# Altium PCB ccd_bottom.PcbDoc (part 2 of 3)
Units mil, origin at the board's own origin, x right, y up, seen from the top; angles counter-clockwise.
Board outline 3937.01 x 3937.01 mil, 4 copper layers (Top Layer, GND2, PWR3, Bottom Layer), stack 72.967 mil thick; 128 components, 168 nets, 680 pads, 683 vias.
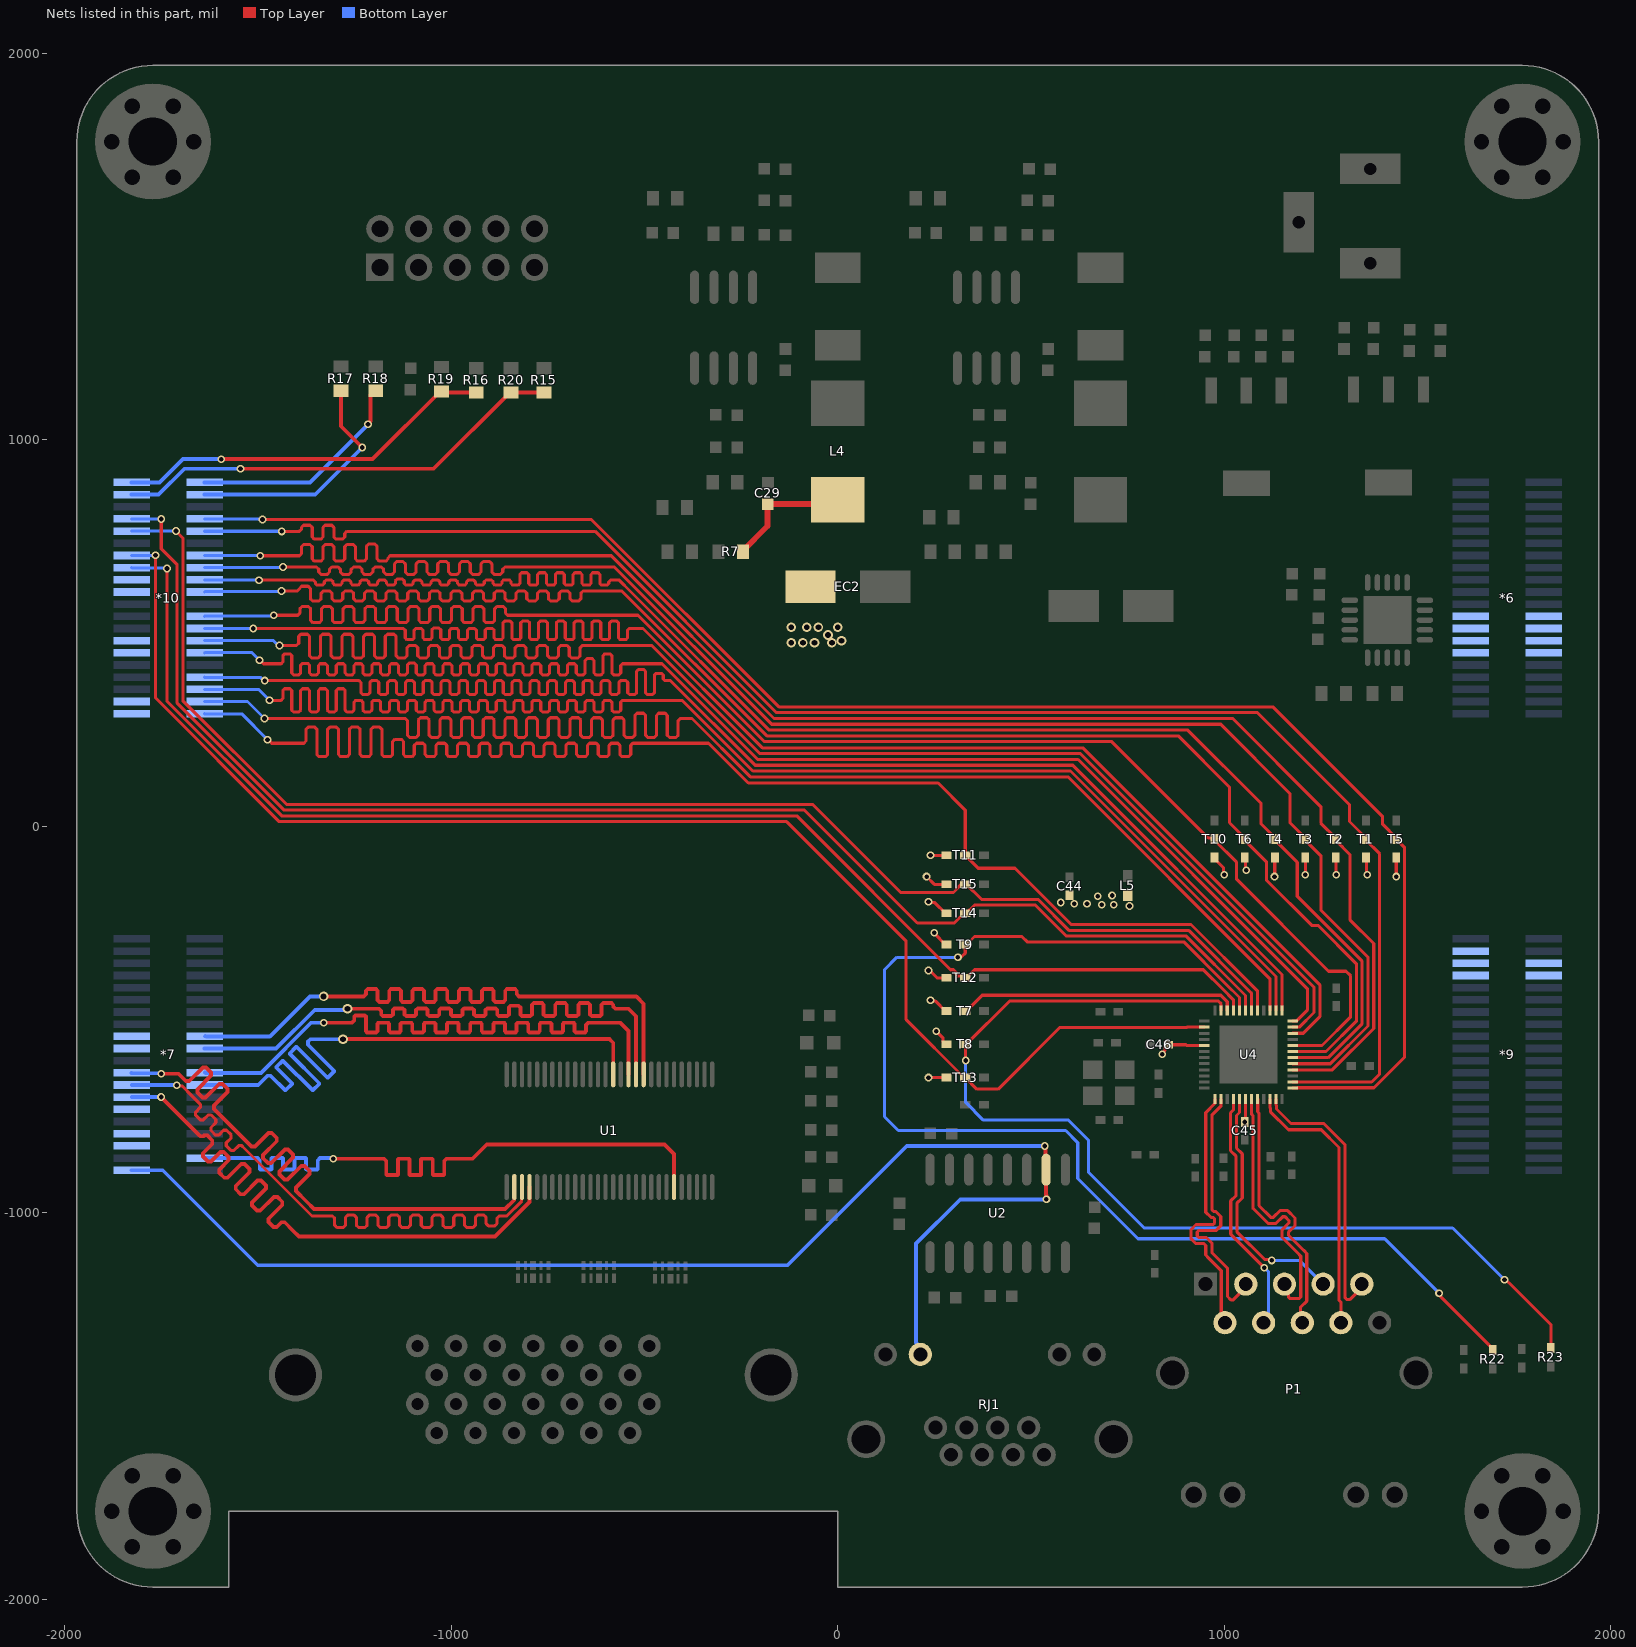
[diagram p4: the nets of this part, all layers, seen from the top]

## Via types
v1: diameter 20, hole 12, Top Layer to Bottom Layer, 590 vias
v2: diameter 25, hole 15, Top Layer to Bottom Layer, 39 vias
v3: diameter 40, hole 20, Top Layer to Bottom Layer, 28 vias
v4: diameter 30, hole 20, Top Layer to Bottom Layer, 22 vias
v5: diameter 24, hole 12, Top Layer to Bottom Layer, tented both sides, 4 vias

## Nets (pads, with @x,y where several pads share a name; then routed paths per layer and width w, separated by ;. In a path a pad name is that pad's centre, name@x,y a point inside that pad or via, vN(x,y) a via of type N, cw(c..) or ccw(c..) an arc to the next point about the centre after c; other vN are vias at no path point) (continued)
B15_L11_N: *7.24 U1.10 | length 1730.2
  Top Layer w10: v2(-1330,-440) -1231,-440 -1226,-440 -1220.14,-434.14 -1220.14,-425.5 -1215.64,-421 -1194.64,-421 -1190.14,-425.5 -1190.14,-449.52 -1185.64,-454.02 -1164.64,-454.02 -1160.14,-449.52 -1160.14,-425.5 -1155.64,-421 -1134.64,-421 -1130.14,-425.5 -1130.14,-449.52 -1125.64,-454.02 -1104.64,-454.02 -1100.14,-449.52 -1100.14,-425.5 -1095.64,-421 -1074.64,-421 -1070.14,-425.5 -1070.14,-449.52 -1065.64,-454.02 -1044.64,-454.02 -1040.14,-449.52 -1040.14,-425.5 -1035.64,-421 -1014.64,-421 -1010.14,-425.5 -1010.14,-449.52 -1005.64,-454.02 -984.64,-454.02 -980.14,-449.52 -980.14,-425.5 -975.64,-421 -954.64,-421 -950.14,-425.5 -950.14,-449.52 -945.64,-454.02 -924.64,-454.02 -920.14,-449.52 -920.14,-425.5 -915.64,-421 -894.64,-421 -890.14,-425.5 -890.14,-449.52 -885.64,-454.02 -864.64,-454.02 -860.14,-449.52 -860.14,-425.5 -855.64,-421 -834.64,-421 -830.14,-425.5 -830.14,-434.14 -824.28,-440 -809.6,-440 -520.97,-440 -501.97,-459 U1.10@-501.97,-641.73
  Bottom Layer w8: *7.24@-1637.8,-543.31 *7.24@-1636.14,-541.65
  Bottom Layer w10: *7.24@-1636.14,-541.65 -1633.64,-544.15 -1469.15,-544.15 -1365,-440 v2(-1330,-440)
B15_L11_P: *7.22 U1.11 | length 1730.2
  Top Layer w10: v2(-1268,-472) -1221.65,-472 -1186.65,-472 -1180.8,-477.86 -1180.8,-486.5 -1176.3,-491 -1155.3,-491 -1150.8,-486.5 -1150.8,-475.52 -1146.3,-471.02 -1125.3,-471.02 -1120.8,-475.52 -1120.8,-486.5 -1116.3,-491 -1095.3,-491 -1090.8,-486.5 -1090.8,-475.52 -1086.3,-471.02 -1065.3,-471.02 -1060.8,-475.52 -1060.8,-486.5 -1056.3,-491 -1035.3,-491 -1030.8,-486.5 -1030.8,-475.52 -1026.3,-471.02 -1005.3,-471.02 -1000.8,-475.52 -1000.8,-486.5 -996.3,-491 -975.3,-491 -970.8,-486.5 -970.8,-475.52 -966.3,-471.02 -945.3,-471.02 -940.8,-475.52 -940.8,-486.5 -936.3,-491 -915.3,-491 -910.8,-486.5 -910.8,-475.52 -906.3,-471.02 -885.3,-471.02 -880.8,-475.52 -880.8,-486.5 -876.3,-491 -855.3,-491 -850.8,-486.5 -850.8,-468.72 -846.3,-464.22 -825.3,-464.22 -820.8,-468.72 -820.8,-486.5 -816.3,-491 -795.3,-491 -790.8,-486.5 -790.8,-461.5 -786.3,-457 -765.3,-457 -760.8,-461.5 -760.8,-486.5 -756.3,-491 -735.3,-491 -730.8,-486.5 -730.8,-461.5 -726.3,-457 -705.3,-457 -700.8,-461.5 -700.8,-486.5 -696.3,-491 -675.3,-491 -670.8,-486.5 -670.8,-461.5 -666.3,-457 -645.3,-457 -640.8,-461.5 -640.8,-486.5 -636.3,-491 -615.3,-491 -610.8,-486.5 -610.8,-461.5 -606.3,-457 -585.3,-457 -580.8,-461.5 -580.8,-466.14 -574.94,-472 -555.17,-472 -541,-472 -521.65,-491.35 U1.11@-521.65,-641.73
  Bottom Layer w10: *7.22@-1637.8,-574.8 -1637.7,-574.9 -1452.98,-574.9 -1352.95,-474.87 -1270.87,-474.87 v2(-1268,-472)
B15_L12_N: *7.18 U1.12 | length 1732.5
  Top Layer w10: v1(-1329.5,-508) -1261.57,-508 -1256.57,-508 -1250.72,-502.14 -1250.72,-492.36 -1247.72,-489.36 -1223.72,-489.36 -1220.72,-492.36 -1220.72,-530 -1217.72,-533 -1193.72,-533 -1190.72,-530 -1190.72,-511 -1187.72,-508 -1163.72,-508 -1160.72,-511 -1160.72,-530 -1157.72,-533 -1133.72,-533 -1130.72,-530 -1130.72,-511 -1127.72,-508 -1103.72,-508 -1100.72,-511 -1100.72,-530 -1097.72,-533 -1073.72,-533 -1070.72,-530 -1070.72,-511 -1067.72,-508 -1043.72,-508 -1040.72,-511 -1040.72,-530 -1037.72,-533 -1013.72,-533 -1010.72,-530 -1010.72,-511 -1007.72,-508 -983.72,-508 -980.72,-511 -980.72,-530 -977.72,-533 -953.72,-533 -950.72,-530 -950.72,-511 -947.72,-508 -923.72,-508 -920.72,-511 -920.72,-530 -917.72,-533 -893.72,-533 -890.72,-530 -890.72,-511 -887.72,-508 -863.72,-508 -860.72,-511 -860.72,-530 -857.72,-533 -833.72,-533 -830.72,-530 -830.72,-511 -827.72,-508 -803.72,-508 -800.72,-511 -800.72,-530 -797.72,-533 -773.72,-533 -770.72,-530 -770.72,-511 -767.72,-508 -743.72,-508 -740.72,-511 -740.72,-530 -737.72,-533 -713.72,-533 -710.72,-530 -710.72,-511 -707.72,-508 -683.72,-508 -680.72,-511 -680.72,-530 -677.72,-533 -653.72,-533 -650.72,-530 -650.72,-513.86 -644.86,-508 -596.28,-508 -563,-508 -541.34,-529.66 U1.12@-541.34,-641.73
  Bottom Layer w8: *7.18@-1637.8,-637.8 *7.18@-1636.4,-636.4
  Bottom Layer w10: *7.18@-1636.4,-636.4 -1635,-637.8 -1491.84,-637.8 -1362.04,-508 v1(-1329.5,-508)
B15_L12_P: *7.16 U1.14 | length 1729.1
  Top Layer w10: v2(-1280,-551) -1279,-550 -1241,-550 -590.71,-550 -586,-554.71 -580.71,-560 U1.14@-580.71,-641.73
  Bottom Layer w10: *7.16@-1637.8,-669.29 -1637.44,-669.65 -1499.65,-669.65 -1496.5,-666.5 -1475.29,-645.29 -1467,-645.29 -1429.78,-682.51 -1428.01,-682.51 -1412.1,-666.6 -1412.1,-664.83 -1452.58,-624.35 -1452.58,-622.58 -1436.67,-606.67 -1434.91,-606.67 -1359.07,-682.51 -1357.3,-682.51 -1341.39,-666.6 -1341.39,-664.83 -1417.23,-589 -1417.23,-587.23 -1401.32,-571.32 -1399.55,-571.32 -1320.68,-650.18 -1318.91,-650.18 -1303.01,-634.27 -1303.01,-632.51 -1370.37,-565.14 -1370.37,-556.86 -1364.51,-551 -1317.89,-551 v2(-1280,-551)
B15_L13_N: *10.11
B15_L13_P: *10.13
B15_L14_N: *10.14 U4.23 | length 4334
  Top Layer w8: v1(-1444,468) -1404,468 -1400,468 -1394.4,473.6 -1394.4,491.4 -1388.8,497 -1372,497 -1366.4,491.4 -1366.4,441.16 -1360.8,435.56 -1344,435.56 -1338.4,441.16 -1338.4,491.4 -1332.8,497 -1316,497 -1310.4,491.4 -1310.4,441.16 -1304.8,435.56 -1288,435.56 -1282.4,441.16 -1282.4,491.4 -1276.8,497 -1260,497 -1254.4,491.4 -1254.4,441.16 -1248.8,435.56 -1232,435.56 -1226.4,441.16 -1226.4,491.4 -1220.8,497 -1204,497 -1198.4,491.4 -1198.4,441.16 -1192.8,435.56 -1176,435.56 -1170.4,441.16 -1170.4,491.4 -1164.8,497 -1148,497 -1142.4,491.4 -1142.4,441.16 -1136.8,435.56 -1120,435.56 -1114.4,441.16 -1114.4,462.4 -1108.8,468 -1092,468 -1086.4,462.4 -1086.4,441.16 -1080.8,435.56 -1064,435.56 -1058.4,441.16 -1058.4,462.4 -1052.8,468 -1036,468 -1030.4,462.4 -1030.4,441.16 -1024.8,435.56 -1008,435.56 -1002.4,441.16 -1002.4,462.4 -996.8,468 -980,468 -974.4,462.4 -974.4,441.16 -968.8,435.56 -952,435.56 -946.4,441.16 -946.4,462.4 -940.8,468 -924,468 -918.4,462.4 -918.4,441.16 -912.8,435.56 -896,435.56 -890.4,441.16 -890.4,462.4 -884.8,468 -868,468 -862.4,462.4 -862.4,441.16 -856.8,435.56 -840,435.56 -834.4,441.16 -834.4,462.4 -828.8,468 -812,468 -806.4,462.4 -806.4,441.16 -800.8,435.56 -784,435.56 -778.4,441.16 -778.4,462.4 -772.8,468 -756,468 -750.4,462.4 -750.4,441.16 -744.8,435.56 -728,435.56 -722.4,441.16 -722.4,462.4 -716.8,468 -700,468 -694.4,462.4 -694.4,441.16 -688.8,435.56 -672,435.56 -666.4,441.16 -666.4,462.4 -660.8,468 -654.48,468 -480.93,468 -200.93,188 628.21,188 1232.51,-416.29 1232.51,-481.48 1194.37,-519.62 1177.53,-519.62 U4.23@1177.46,-519.68
  Bottom Layer w8: *10.14@-1637.8,480.31 -1459.56,480.31 -1447.25,468 v1(-1444,468)
B15_L14_P: *10.12 U4.24 | length 4328.3
  Top Layer w8: v1(-1496,430) -1494.75,430 -1485.31,420.56 -1444,420.56 -1440,420.56 -1435.31,425.25 -1435.31,441.51 -1430.71,446.11 -1416.91,446.11 -1412.31,441.51 -1412.31,396.6 -1407.71,392 -1393.91,392 -1389.31,396.6 -1389.31,417.01 -1384.71,421.61 -1370.91,421.61 -1366.31,417.01 -1366.31,396.6 -1361.71,392 -1347.91,392 -1343.31,396.6 -1343.31,415.98 -1338.71,420.58 -1324.91,420.58 -1320.31,415.98 -1320.31,396.6 -1315.71,392 -1301.91,392 -1297.31,396.6 -1297.31,415.96 -1292.71,420.56 -1278.91,420.56 -1274.31,415.96 -1274.31,396.6 -1269.71,392 -1255.91,392 -1251.31,396.6 -1251.31,415.96 -1246.71,420.56 -1232.91,420.56 -1228.31,415.96 -1228.31,396.6 -1223.71,392 -1209.91,392 -1205.31,396.6 -1205.31,415.96 -1200.71,420.56 -1186.91,420.56 -1182.31,415.96 -1182.31,396.6 -1177.71,392 -1163.91,392 -1159.31,396.6 -1159.31,415.96 -1154.71,420.56 -1140.91,420.56 -1136.31,415.96 -1136.31,396.6 -1131.71,392 -1117.91,392 -1113.31,396.6 -1113.31,417.53 -1108.71,422.13 -1094.91,422.13 -1090.31,417.53 -1090.31,396.6 -1085.71,392 -1071.91,392 -1067.31,396.6 -1067.31,415.96 -1062.71,420.56 -1048.91,420.56 -1044.31,415.96 -1044.31,396.6 -1039.71,392 -1025.91,392 -1021.31,396.6 -1021.31,415.96 -1016.71,420.56 -1002.91,420.56 -998.31,415.96 -998.31,396.6 -993.71,392 -979.91,392 -975.31,396.6 -975.31,415.96 -970.71,420.56 -956.91,420.56 -952.31,415.96 -952.31,396.6 -947.71,392 -933.91,392 -929.31,396.6 -929.31,415.96 -924.71,420.56 -910.91,420.56 -906.31,415.96 -906.31,396.6 -901.71,392 -887.91,392 -883.31,396.6 -883.31,416.38 -878.71,420.98 -864.91,420.98 -860.31,416.38 -860.31,396.6 -855.71,392 -841.91,392 -837.31,396.6 -837.31,416.2 -832.71,420.8 -818.91,420.8 -814.31,416.2 -814.31,396.6 -809.71,392 -795.91,392 -791.31,396.6 -791.31,415.96 -786.71,420.56 -772.91,420.56 -768.31,415.96 -768.31,396.6 -763.71,392 -749.91,392 -745.31,396.6 -745.31,415.96 -740.71,420.56 -726.91,420.56 -722.31,415.96 -722.31,396.6 -717.71,392 -703.91,392 -699.31,396.6 -699.31,415.96 -694.71,420.56 -680.91,420.56 -676.31,415.96 -676.31,396.6 -671.71,392 -657.91,392 -653.31,396.6 -653.31,429.23 -648.71,433.83 -634.91,433.83 -630.31,429.23 -630.31,396.6 -625.71,392 -611.91,392 -607.31,396.6 -607.31,441.51 -602.71,446.11 -588.91,446.11 -584.31,441.51 -584.31,396.6 -579.71,392 -565.91,392 -561.31,396.6 -561.31,415.88 -556.63,420.56 -550.51,420.56 -454.71,420.56 -207.15,173 622,173 1215,-420 1215,-475.43 1186.49,-503.94 U4.24@1177.46,-503.94
  Bottom Layer w8: *10.12@-1637.8,448.82 -1637.2,449.41 -1515.41,449.41 v1(-1496,430)
B15_L15_N: *10.1
B15_L15_P: *10.3
B15_L16_N: *10.33 T14.1 U4.31 | length 3724.2
  Top Layer w8: v1(-1750,795) -1750,718 -1709,677 -1709,318.79 -1432.21,42 -86,42 206,-250 302,-250 327,-225 333,-225 354,-204 511.88,-204 591.88,-284 901.74,-284 1051.32,-433.58 1051.32,-433.75 1055.12,-437.55 U4.31@1055.12,-476.08
  Bottom Layer w8: *10.33@-1826.77,795.28 -1826.63,795.14 -1750.14,795.14 v1(-1750,795)
B15_L16_P: *10.31 T15.1 U4.30 | length 3701.6
  Top Layer w8: v1(-1712,764) -1694,746 -1694,325 -1426,57 -65,57 163,-171 299.56,-171 309.78,-160.78 309.78,-160.22 320,-150 333,-150 372,-189 518.09,-189 598.09,-269 907.95,-269 1066.32,-427.37 1066.32,-427.53 1070.86,-432.08 U4.30@1070.86,-476.08
  Bottom Layer w8: *10.31@-1826.77,763.78 -1826.66,763.89 -1712.11,763.89 v1(-1712,764)
B15_L17_N: *10.25 T12.1 U4.33 | length 3562.7
  Top Layer w8: v1(-1735,667) -1735,323.57 -1438.43,27 -106,27 292,-371 299.56,-371 306,-377.44 306,-382.66 310.69,-387.34 325.34,-387.34 T12.1@330,-392 333,-392 354,-371 946.15,-371 997.14,-421.99 997.3,-421.99 1023.62,-448.31 U4.33@1023.62,-476.08
  Bottom Layer w8: *10.25@-1826.77,669.29 -1825.63,668.15 -1736.15,668.15 v1(-1735,667)
B15_L17_P: *10.27 T13.1 U4.38 | length 3748.7
  Top Layer w8: v1(-1765,701) -1765,332.36 -1444.64,12 -132,12 177,-297 177,-500 327,-650 T13.1@330,-650 360,-680 415,-680 575,-520 903.7,-520 904.02,-519.68 U4.38@948.52,-519.68
  Bottom Layer w8: *10.27@-1826.77,700.79 -1826.67,700.89 -1765.11,700.89 v1(-1765,701)
B15_L18_N: *10.23
B15_L18_P: *10.21
B15_L19_N: *10.4 U4.27 | length 4332.5
  Top Layer w8: v1(-1483,279) -1150.48,279 -1118.48,279 -1112.88,273.4 -1112.88,235.6 -1107.28,230 -1090.48,230 -1084.88,235.6 -1084.88,275.4 -1079.28,281 -1062.48,281 -1056.88,275.4 -1056.88,235.6 -1051.28,230 -1034.48,230 -1028.88,235.6 -1028.88,275.4 -1023.28,281 -1006.48,281 -1000.88,275.4 -1000.88,235.6 -995.28,230 -978.48,230 -972.88,235.6 -972.88,275.4 -967.28,281 -950.48,281 -944.88,275.4 -944.88,235.6 -939.28,230 -922.48,230 -916.88,235.6 -916.88,275.4 -911.28,281 -894.48,281 -888.88,275.4 -888.88,235.6 -883.28,230 -866.48,230 -860.88,235.6 -860.88,275.4 -855.28,281 -838.48,281 -832.88,275.4 -832.88,235.6 -827.28,230 -810.48,230 -804.88,235.6 -804.88,275.4 -799.28,281 -782.48,281 -776.88,275.4 -776.88,235.6 -771.28,230 -754.48,230 -748.88,235.6 -748.88,275.44 -743.28,281.04 -726.48,281.04 -720.88,275.44 -720.88,235.6 -715.28,230 -698.48,230 -692.88,235.6 -692.88,275.4 -687.28,281 -670.48,281 -664.88,275.4 -664.88,235.6 -659.28,230 -642.48,230 -636.88,235.6 -636.88,275.4 -631.28,281 -614.48,281 -608.88,275.4 -608.88,235.6 -603.28,230 -586.48,230 -580.88,235.6 -580.88,275.4 -575.28,281 -558.48,281 -552.88,275.4 -552.88,235.6 -547.28,230 -530.48,230 -524.88,235.6 -524.88,286.94 -519.28,292.54 -502.48,292.54 -496.88,286.94 -496.88,235.6 -491.28,230 -474.48,230 -468.88,235.6 -468.88,286.94 -463.28,292.54 -446.48,292.54 -440.88,286.94 -440.88,235.6 -435.28,230 -418.48,230 -412.88,235.6 -412.88,273.4 -407.28,279 -401,279 -376.79,279 -225.79,128 596,128 1118.11,-394.11 U4.27@1118.11,-476.08
  Bottom Layer w8: *10.4@-1637.8,322.83 -1526.83,322.83 v1(-1483,279)
B15_L19_P: *10.2 T11.1 U4.29 | length 4326.4
  Top Layer w8: v1(-1475,224) -1473.31,224 -1464.31,215 -1385,215 -1381,215 -1375.4,220.6 -1375.4,251.1 -1369.8,256.7 -1353,256.7 -1347.4,251.1 -1347.4,186.01 -1341.8,180.41 -1325,180.41 -1319.4,186.01 -1319.4,251.1 -1313.8,256.7 -1297,256.7 -1291.4,251.1 -1291.4,186.01 -1285.8,180.41 -1269,180.41 -1263.4,186.01 -1263.4,251.1 -1257.8,256.7 -1241,256.7 -1235.4,251.1 -1235.4,186.01 -1229.8,180.41 -1213,180.41 -1207.4,186.01 -1207.4,251.1 -1201.8,256.7 -1185,256.7 -1179.4,251.1 -1179.4,186.01 -1173.8,180.41 -1157,180.41 -1151.4,186.01 -1151.4,219.31 -1145.8,224.91 -1129,224.91 -1123.4,219.31 -1123.4,186.01 -1117.8,180.41 -1101,180.41 -1095.4,186.01 -1095.4,209.4 -1089.8,215 -1073,215 -1067.4,209.4 -1067.4,186.01 -1061.8,180.41 -1045,180.41 -1039.4,186.01 -1039.4,209.4 -1033.8,215 -1017,215 -1011.4,209.4 -1011.4,186.01 -1005.8,180.41 -989,180.41 -983.4,186.01 -983.4,209.4 -977.8,215 -961,215 -955.4,209.4 -955.4,186.01 -949.8,180.41 -933,180.41 -927.4,186.01 -927.4,209.4 -921.8,215 -905,215 -899.4,209.4 -899.4,186.01 -893.8,180.41 -877,180.41 -871.4,186.01 -871.4,209.4 -865.8,215 -849,215 -843.4,209.4 -843.4,186.01 -837.8,180.41 -821,180.41 -815.4,186.01 -815.4,209.4 -809.8,215 -793,215 -787.4,209.4 -787.4,186.01 -781.8,180.41 -765,180.41 -759.4,186.01 -759.4,209.4 -753.8,215 -737,215 -731.4,209.4 -731.4,186.01 -725.8,180.41 -709,180.41 -703.4,186.01 -703.4,209.4 -697.8,215 -681,215 -675.4,209.4 -675.4,186.01 -669.8,180.41 -653,180.41 -647.4,186.01 -647.4,209.4 -641.8,215 -625,215 -619.4,209.4 -619.4,186.01 -613.8,180.41 -597,180.41 -591.4,186.01 -591.4,209.4 -585.8,215 -569,215 -563.4,209.4 -563.4,186.01 -557.8,180.41 -541,180.41 -535.4,186.01 -535.4,209.4 -529.8,215 -470.82,215 -334,215 -231,112 260,112 330,42 T11.1@330,-75 ; T11.1@333,-75 339,-81 339,-84 363.44,-108.44 458.74,-108.44 604.3,-254 914.16,-254 1081.32,-421.16 1081.32,-421.32 1086.61,-426.61 U4.29@1086.61,-476.08
  Bottom Layer w8: *10.2@-1637.8,291.34 -1637.3,290.84 -1541.84,290.84 v1(-1475,224)
B15_L20_N: *10.8 U4.25 | length 4329
  Top Layer w8: v1(-1482,377) -1264.91,377 -1237.91,377 -1233.23,372.31 -1233.23,345.6 -1228.63,341 -1214.83,341 -1210.23,345.6 -1210.23,372.4 -1205.63,377 -1191.83,377 -1187.23,372.4 -1187.23,345.6 -1182.63,341 -1168.83,341 -1164.23,345.6 -1164.23,372.4 -1159.63,377 -1145.83,377 -1141.23,372.4 -1141.23,345.6 -1136.63,341 -1122.83,341 -1118.23,345.6 -1118.23,372.4 -1113.63,377 -1099.83,377 -1095.23,372.4 -1095.23,345.6 -1090.63,341 -1076.83,341 -1072.23,345.6 -1072.23,372.4 -1067.63,377 -1053.83,377 -1049.23,372.4 -1049.23,345.6 -1044.63,341 -1030.83,341 -1026.23,345.6 -1026.23,372.4 -1021.63,377 -1007.83,377 -1003.23,372.4 -1003.23,345.6 -998.63,341 -984.83,341 -980.23,345.6 -980.23,372.4 -975.63,377 -961.83,377 -957.23,372.4 -957.23,345.6 -952.63,341 -938.83,341 -934.23,345.6 -934.23,372.4 -929.63,377 -915.83,377 -911.23,372.4 -911.23,345.6 -906.63,341 -892.83,341 -888.23,345.6 -888.23,372.4 -883.63,377 -869.83,377 -865.23,372.4 -865.23,345.6 -860.63,341 -846.83,341 -842.23,345.6 -842.23,372.4 -837.63,377 -823.83,377 -819.23,372.4 -819.23,345.6 -814.63,341 -800.83,341 -796.23,345.6 -796.23,372.4 -791.63,377 -777.83,377 -773.23,372.4 -773.23,345.6 -768.63,341 -754.83,341 -750.23,345.6 -750.23,372.4 -745.63,377 -731.83,377 -727.23,372.4 -727.23,345.6 -722.63,341 -708.83,341 -704.23,345.6 -704.23,372.4 -699.63,377 -685.83,377 -681.23,372.4 -681.23,345.6 -676.63,341 -662.83,341 -658.23,345.6 -658.23,372.4 -653.63,377 -639.83,377 -635.23,372.4 -635.23,345.6 -630.63,341 -616.83,341 -612.23,345.6 -612.23,372.4 -607.63,377 -593.83,377 -589.23,372.4 -589.23,345.6 -584.63,341 -570.83,341 -566.23,345.6 -566.23,372.4 -561.63,377 -547.83,377 -543.23,372.4 -543.23,345.6 -538.63,341 -524.83,341 -520.23,345.6 -520.23,400.96 -515.63,405.56 -501.83,405.56 -497.23,400.96 -497.23,345.6 -492.63,341 -478.83,341 -474.23,345.6 -474.23,391.26 -469.63,395.86 -455.83,395.86 -451.23,391.26 -451.23,381.69 -446.54,377 -442,377 -432.36,377 -213.36,158 608.43,158 1149.6,-383.18 U4.25@1149.6,-476.08
  Bottom Layer w8: *10.8@-1637.8,385.83 -1637.38,385.41 -1493.66,385.41 -1485.25,377 v1(-1482,377)
B15_L20_P: *10.6 U4.26 | length 4336.6
  Top Layer w8: v1(-1470,326) -1444,326 -1440,326 -1435.31,330.69 -1435.31,351.4 -1430.71,356 -1416.91,356 -1412.31,351.4 -1412.31,300.6 -1407.71,296 -1393.91,296 -1389.31,300.6 -1389.31,351.4 -1384.71,356 -1370.91,356 -1366.31,351.4 -1366.31,300.6 -1361.71,296 -1347.91,296 -1343.31,300.6 -1343.31,351.4 -1338.71,356 -1324.91,356 -1320.31,351.4 -1320.31,300.6 -1315.71,296 -1301.91,296 -1297.31,300.6 -1297.31,351.4 -1292.71,356 -1278.91,356 -1274.31,351.4 -1274.31,300.6 -1269.71,296 -1255.91,296 -1251.31,300.6 -1251.31,321.4 -1246.71,326 -1232.91,326 -1228.31,321.4 -1228.31,300.6 -1223.71,296 -1209.91,296 -1205.31,300.6 -1205.31,321.4 -1200.71,326 -1186.91,326 -1182.31,321.4 -1182.31,300.6 -1177.71,296 -1163.91,296 -1159.31,300.6 -1159.31,321.4 -1154.71,326 -1140.91,326 -1136.31,321.4 -1136.31,300.6 -1131.71,296 -1117.91,296 -1113.31,300.6 -1113.31,321.4 -1108.71,326 -1094.91,326 -1090.31,321.4 -1090.31,300.6 -1085.71,296 -1071.91,296 -1067.31,300.6 -1067.31,321.4 -1062.71,326 -1048.91,326 -1044.31,321.4 -1044.31,300.6 -1039.71,296 -1025.91,296 -1021.31,300.6 -1021.31,321.4 -1016.71,326 -1002.91,326 -998.31,321.4 -998.31,300.6 -993.71,296 -979.91,296 -975.31,300.6 -975.31,321.4 -970.71,326 -956.91,326 -952.31,321.4 -952.31,300.6 -947.71,296 -933.91,296 -929.31,300.6 -929.31,321.4 -924.71,326 -910.91,326 -906.31,321.4 -906.31,300.6 -901.71,296 -887.91,296 -883.31,300.6 -883.31,321.4 -878.71,326 -864.91,326 -860.31,321.4 -860.31,300.6 -855.71,296 -841.91,296 -837.31,300.6 -837.31,321.4 -832.71,326 -818.91,326 -814.31,321.4 -814.31,300.6 -809.71,296 -795.91,296 -791.31,300.6 -791.31,321.4 -786.71,326 -772.91,326 -768.31,321.4 -768.31,300.6 -763.71,296 -749.91,296 -745.31,300.6 -745.31,321.4 -740.71,326 -726.91,326 -722.31,321.4 -722.31,300.6 -717.71,296 -703.91,296 -699.31,300.6 -699.31,321.4 -694.71,326 -680.91,326 -676.31,321.4 -676.31,300.6 -671.71,296 -657.91,296 -653.31,300.6 -653.31,321.4 -648.71,326 -634.91,326 -630.31,321.4 -630.31,300.6 -625.71,296 -611.91,296 -607.31,300.6 -607.31,321.4 -602.71,326 -588.91,326 -584.31,321.4 -584.31,300.6 -579.71,296 -565.91,296 -561.31,300.6 -561.31,321.31 -556.63,326 -542.34,326 -402.57,326 -219.57,143 602.21,143 1133.86,-388.65 U4.26@1133.86,-476.08
  Bottom Layer w8: *10.6@-1637.8,354.33 -1498.33,354.33 v1(-1470,326)
B15_L21_N: *10.18 T10.1 U4.20 | length 4328.8
  Top Layer w8: v1(-1459,546) -1401,546 -1397,546 -1391.4,551.6 -1391.4,563.15 -1385.8,568.75 -1369,568.75 -1363.4,563.15 -1363.4,532.6 -1357.8,527 -1341,527 -1335.4,532.6 -1335.4,563.15 -1329.8,568.75 -1313,568.75 -1307.4,563.15 -1307.4,532.6 -1301.8,527 -1285,527 -1279.4,532.6 -1279.4,563.15 -1273.8,568.75 -1257,568.75 -1251.4,563.15 -1251.4,532.6 -1245.8,527 -1229,527 -1223.4,532.6 -1223.4,563.15 -1217.8,568.75 -1201,568.75 -1195.4,563.15 -1195.4,532.6 -1189.8,527 -1173,527 -1167.4,532.6 -1167.4,563.15 -1161.8,568.75 -1145,568.75 -1139.4,563.15 -1139.4,532.6 -1133.8,527 -1117,527 -1111.4,532.6 -1111.4,563.15 -1105.8,568.75 -1089,568.75 -1083.4,563.15 -1083.4,532.6 -1077.8,527 -1061,527 -1055.4,532.6 -1055.4,563.15 -1049.8,568.75 -1033,568.75 -1027.4,563.15 -1027.4,532.6 -1021.8,527 -1005,527 -999.4,532.6 -999.4,563.15 -993.8,568.75 -977,568.75 -971.4,563.15 -971.4,532.6 -965.8,527 -949,527 -943.4,532.6 -943.4,563.15 -937.8,568.75 -921,568.75 -915.4,563.15 -915.4,532.6 -909.8,527 -893,527 -887.4,532.6 -887.4,563.15 -881.8,568.75 -865,568.75 -859.4,563.15 -859.4,551.6 -853.8,546 -831,546 -516.51,546 -189.51,219 709,219 957.69,-29.69 971.69,-29.69 T10.1@975,-33 ; T10.1@975,-36 1032.33,-93.33 1032.33,-137.33 1270,-375 1315,-375 1327,-387 1327,-493 1253.13,-566.87 U4.20@1177.46,-566.93 U4.20@1177.46,-566.93
  Bottom Layer w8: *10.18@-1637.8,543.31 -1636.45,544.65 -1460.35,544.65 v1(-1459,546)
B15_L21_P: *10.16 U4.22 | length 4325.9
  Top Layer w8: v1(-1512,512) -1150.57,512 -1123.57,512 -1118.88,507.31 -1118.88,487.37 -1114.51,483 -1100.25,483 -1095.88,487.37 -1095.88,507.63 -1091.51,512 -1077.25,512 -1072.88,507.63 -1072.88,487.37 -1068.51,483 -1054.25,483 -1049.88,487.37 -1049.88,508.52 -1045.51,512.89 -1031.25,512.89 -1026.88,508.52 -1026.88,487.37 -1022.51,483 -1008.25,483 -1003.88,487.37 -1003.88,507.67 -999.51,512.04 -985.25,512.04 -980.88,507.67 -980.88,487.37 -976.51,483 -962.25,483 -957.88,487.37 -957.88,507.63 -953.51,512 -939.25,512 -934.88,507.63 -934.88,487.37 -930.51,483 -916.25,483 -911.88,487.37 -911.88,507.63 -907.51,512 -893.25,512 -888.88,507.63 -888.88,487.37 -884.51,483 -870.25,483 -865.88,487.37 -865.88,526.63 -861.51,531 -847.25,531 -842.88,526.63 -842.88,487.37 -838.51,483 -824.25,483 -819.88,487.37 -819.88,526.63 -815.51,531 -801.25,531 -796.88,526.63 -796.88,487.37 -792.51,483 -778.25,483 -773.88,487.37 -773.88,526.63 -769.51,531 -755.25,531 -750.88,526.63 -750.88,487.37 -746.51,483 -732.25,483 -727.88,487.37 -727.88,526.63 -723.51,531 -709.25,531 -704.88,526.63 -704.88,487.37 -700.51,483 -686.25,483 -681.88,487.37 -681.88,526.63 -677.51,531 -663.25,531 -658.88,526.63 -658.88,487.37 -654.51,483 -640.25,483 -635.88,487.37 -635.88,526.63 -631.51,531 -617.25,531 -612.88,526.63 -612.88,487.37 -608.51,483 -594.25,483 -589.88,487.37 -589.88,526.63 -585.51,531 -571.25,531 -566.88,526.63 -566.88,487.37 -562.51,483 -548.25,483 -543.88,487.37 -543.88,507.31 -539.19,512 -516.36,512 -503.72,512 -194.72,203 634.43,203 1247.51,-410.08 1247.51,-492.51 1204.58,-535.43 U4.22@1177.46,-535.43
  Bottom Layer w8: *10.16@-1637.8,511.81 -1637.7,511.91 -1512.09,511.91 v1(-1512,512)
B15_L22_N: *10.28 T2.1 U4.16 | length 4329.2
  Top Layer w8: v1(-1494,700) -1397,700 -1393,700 -1387.4,705.6 -1387.4,723.54 -1381.8,729.14 -1365,729.14 -1359.4,723.54 -1359.4,691.6 -1353.8,686 -1337,686 -1331.4,691.6 -1331.4,723.54 -1325.8,729.14 -1309,729.14 -1303.4,723.54 -1303.4,691.6 -1297.8,686 -1281,686 -1275.4,691.6 -1275.4,723.54 -1269.8,729.14 -1253,729.14 -1247.4,723.54 -1247.4,691.6 -1241.8,686 -1225,686 -1219.4,691.6 -1219.4,724.4 -1213.8,730 -1197,730 -1191.4,724.4 -1191.4,691.6 -1185.8,686 -1169,686 -1163.4,691.6 -1163.4,694.4 -1157.8,700 -1139,700 -585.65,700 -164.65,279 1022,279 1250,51 1250,8.33 1288.33,-30 T2.1@1288.33,-33 1288.33,-36 1325,-72.67 1325,-241.33 1387,-303.33 1387,-522.85 1279.93,-629.92 U4.16@1177.46,-629.92
  Bottom Layer w8: *10.28@-1637.8,700.79 -1494.79,700.79 v1(-1494,700)
B15_L22_P: *10.26 T3.1 U4.17 | length 4329.5
  Top Layer w8: v1(-1435,671) -1380.51,671 -1348.51,671 -1342.63,665.12 -1342.63,657.88 -1336.75,652 -1320.51,652 -1314.63,657.88 -1314.63,665.12 -1308.75,671 -1292.51,671 -1286.63,665.12 -1286.63,657.88 -1280.75,652 -1264.51,652 -1258.63,657.88 -1258.63,665.12 -1252.75,671 -1236.51,671 -1230.63,665.12 -1230.63,657.88 -1224.75,652 -1208.51,652 -1202.63,657.88 -1202.63,665.12 -1196.75,671 -1180.51,671 -1174.63,665.12 -1174.63,657.88 -1168.75,652 -1152.51,652 -1146.63,657.88 -1146.63,679.12 -1140.75,685 -1124.51,685 -1118.63,679.12 -1118.63,657.88 -1112.75,652 -1096.51,652 -1090.63,657.88 -1090.63,679.12 -1084.75,685 -1068.51,685 -1062.63,679.12 -1062.63,657.88 -1056.75,652 -1040.51,652 -1034.63,657.88 -1034.63,679.12 -1028.75,685 -1012.51,685 -1006.63,679.12 -1006.63,657.88 -1000.75,652 -984.51,652 -978.63,657.88 -978.63,679.12 -972.75,685 -956.51,685 -950.63,679.12 -950.63,657.88 -944.75,652 -928.51,652 -922.63,657.88 -922.63,679.12 -916.75,685 -900.51,685 -894.63,679.12 -894.63,657.88 -888.75,652 -872.51,652 -866.63,657.88 -866.63,665.12 -860.75,671 -846.9,671 -577.87,671 -170.87,264 991,264 1170,85 1170,10 1210,-30 T3.1@1210,-33 1210,-36 1250,-76 1250,-216.36 1372,-338.36 1372,-516.64 1274.47,-614.17 U4.17@1177.46,-614.17
  Bottom Layer w8: *10.26@-1637.8,669.29 -1436.71,669.29 v1(-1435,671)
B15_L23_N: *10.24 T4.1 U4.18 | length 4331.1
  Top Layer w8: v1(-1497,637) -1383,637 -1356,637 -1351.31,632.31 -1351.31,628.37 -1346.94,624 -1332.68,624 -1328.31,628.37 -1328.31,632.63 -1323.94,637 -1309.68,637 -1305.31,632.63 -1305.31,628.37 -1300.94,624 -1286.68,624 -1282.31,628.37 -1282.31,632.63 -1277.94,637 -1263.68,637 -1259.31,632.63 -1259.31,628.37 -1254.94,624 -1240.68,624 -1236.31,628.37 -1236.31,632.63 -1231.94,637 -1217.68,637 -1213.31,632.63 -1213.31,628.37 -1208.94,624 -1194.68,624 -1190.31,628.37 -1190.31,632.63 -1185.94,637 -1171.68,637 -1167.31,632.63 -1167.31,628.37 -1162.94,624 -1148.68,624 -1144.31,628.37 -1144.31,635.07 -1139.94,639.44 -1125.68,639.44 -1121.31,635.07 -1121.31,628.37 -1116.94,624 -1102.68,624 -1098.31,628.37 -1098.31,632.63 -1093.94,637 -1079.68,637 -1075.31,632.63 -1075.31,628.37 -1070.94,624 -1056.68,624 -1052.31,628.37 -1052.31,632.63 -1047.94,637 -1033.68,637 -1029.31,632.63 -1029.31,628.37 -1024.94,624 -1010.68,624 -1006.31,628.37 -1006.31,632.63 -1001.94,637 -987.68,637 -983.31,632.63 -983.31,628.37 -978.94,624 -964.68,624 -960.31,628.37 -960.31,632.63 -955.94,637 -941.68,637 -937.31,632.63 -937.31,628.37 -932.94,624 -918.68,624 -914.31,628.37 -914.31,632.85 -909.94,637.22 -895.68,637.22 -891.31,632.85 -891.31,628.37 -886.94,624 -872.68,624 -868.31,628.37 -868.31,633.23 -863.94,637.6 -849.68,637.6 -845.31,633.23 -845.31,628.37 -840.94,624 -826.68,624 -822.31,628.37 -822.31,651.63 -817.94,656 -803.68,656 -799.31,651.63 -799.31,628.37 -794.94,624 -780.68,624 -776.31,628.37 -776.31,651.63 -771.94,656 -757.68,656 -753.31,651.63 -753.31,628.37 -748.94,624 -734.68,624 -730.31,628.37 -730.31,651.63 -725.94,656 -711.68,656 -707.31,651.63 -707.31,628.37 -702.94,624 -688.68,624 -684.31,628.37 -684.31,651.63 -679.94,656 -665.68,656 -661.31,651.63 -661.31,628.37 -656.94,624 -642.68,624 -638.31,628.37 -638.31,651.63 -633.94,656 -619.68,656 -615.31,651.63 -615.31,628.37 -610.94,624 -596.68,624 -592.31,628.37 -592.31,632.31 -587.63,637 -565.08,637 -535.84,607.76 -177.08,249 906,249 1095,60 1095,6.67 1131.67,-30 T4.1@1131.67,-33 1131.67,-36 1189,-93.33 1189,-181.26 1357,-349.26 1357,-510.43 1269.01,-598.42 U4.18@1177.46,-598.42
  Bottom Layer w8: *10.24@-1637.8,637.8 -1497.8,637.8 v1(-1497,637)
B15_L23_P: *10.22 T6.1 U4.19 | length 4333.3
  Top Layer w8: v1(-1439,609) -1402,609 -1398,609 -1392.4,614.6 -1392.4,615.44 -1386.8,621.04 -1370,621.04 -1364.4,615.44 -1364.4,588.62 -1358.8,583.02 -1342,583.02 -1336.4,588.62 -1336.4,603.4 -1330.8,609 -1314,609 -1308.4,603.4 -1308.4,588.62 -1302.8,583.02 -1286,583.02 -1280.4,588.62 -1280.4,603.4 -1274.8,609 -1258,609 -1252.4,603.4 -1252.4,588.62 -1246.8,583.02 -1230,583.02 -1224.4,588.62 -1224.4,603.4 -1218.8,609 -1202,609 -1196.4,603.4 -1196.4,588.62 -1190.8,583.02 -1174,583.02 -1168.4,588.62 -1168.4,603.4 -1162.8,609 -1146,609 -1140.4,603.4 -1140.4,588.62 -1134.8,583.02 -1118,583.02 -1112.4,588.62 -1112.4,603.4 -1106.8,609 -1090,609 -1084.4,603.4 -1084.4,588.62 -1078.8,583.02 -1062,583.02 -1056.4,588.62 -1056.4,603.4 -1050.8,609 -1034,609 -1028.4,603.4 -1028.4,588.62 -1022.8,583.02 -1006,583.02 -1000.4,588.62 -1000.4,603.4 -994.8,609 -978,609 -972.4,603.4 -972.4,588.62 -966.8,583.02 -950,583.02 -944.4,588.62 -944.4,603.4 -938.8,609 -922,609 -916.4,603.4 -916.4,588.62 -910.8,583.02 -894,583.02 -888.4,588.62 -888.4,603.4 -882.8,609 -866,609 -860.4,603.4 -860.4,588.62 -854.8,583.02 -838,583.02 -832.4,588.62 -832.4,603.4 -826.8,609 -810,609 -804.4,603.4 -804.4,588.62 -798.8,583.02 -782,583.02 -776.4,588.62 -776.4,603.4 -770.8,609 -754,609 -748.4,603.4 -748.4,588.62 -742.8,583.02 -726,583.02 -720.4,588.62 -720.4,603.4 -714.8,609 -698,609 -692.4,603.4 -692.4,588.62 -686.8,583.02 -670,583.02 -664.4,588.62 -664.4,603.4 -658.8,609 -645.88,609 -558.29,609 -183.29,234 881,234 1013.67,101.33 1013.67,9.67 1053.33,-30 T6.1@1053.33,-33 1053.33,-36 1109,-91.67 1109,-138.7 1226.39,-256.09 1242.61,-256.09 1342,-355.47 1342,-504.21 1263.53,-582.68 U4.19@1177.46,-582.68
  Bottom Layer w8: *10.22@-1637.8,606.3 -1636.44,607.65 -1440.35,607.65 v1(-1439,609)
B15_L24_N: *10.34 T5.1 U4.13 | length 4331.4
  Top Layer w8: v1(-1488,794) -637.23,794 -152.23,309 1126,309 1410,25 1410,5 T5.1@1445,-30 ; U4.13@1177.46,-677.16 1177.53,-677.1 1188.98,-677.1 1189.66,-676.42 1387.58,-676.42 1466,-598 1466,-54 T5.1@1445,-33
  Bottom Layer w8: *10.34@-1637.8,795.28 -1489.28,795.28 v1(-1488,794)
B15_L24_P: *10.32 T1.1 U4.14 | length 4328.1
  Top Layer w8: v1(-1438,763) -1397,763 -1393,763 -1387.4,768.6 -1387.4,773.4 -1381.8,779 -1365,779 -1359.4,773.4 -1359.4,748.65 -1353.8,743.05 -1337,743.05 -1331.4,748.65 -1331.4,773.4 -1325.8,779 -1309,779 -1303.4,773.4 -1303.4,748.65 -1297.8,743.05 -1281,743.05 -1275.4,748.65 -1275.4,757.4 -1269.8,763 -1252.85,763 -627.44,763 -158.44,294 1086,294 1324,56 1324,12.67 1366.67,-30 T1.1@1366.67,-33 1366.67,-36 1402,-71.33 1402,-640.79 1381.37,-661.42 U4.14@1177.46,-661.42
  Bottom Layer w8: *10.32@-1637.8,763.78 -1637.4,763.39 -1438.39,763.39 v1(-1438,763)
B16_IO0: *7.1 RJ1.10 U2.10 | length 3408.1
  Top Layer w10: v1(536,-827) 537.61,-828.61 537.61,-886.68 U2.10@539.21,-888.28 539.21,-954.21 540,-955 v1(540,-965)
  Bottom Layer w10: *7.1@-1826.77,-889.77 -1746.23,-889.77 -1500.39,-1135.61 -129.79,-1135.61 178.82,-827 v1(536,-827) ; RJ1.10@213.78,-1366.34 204.21,-1356.77 204.21,-1336.69 203,-1335.48 203,-1079 317,-965 v1(540,-965)
B16_IO25: *7.4 U1.51 | length 1726.9
  Top Layer w10: v1(-1305,-860) -1208.63,-860 -1173.63,-860 -1167.77,-865.86 -1167.77,-900.5 -1166.27,-902 -1139.27,-902 -1137.77,-900.5 -1137.77,-861.5 -1136.27,-860 -1109.27,-860 -1107.77,-861.5 -1107.77,-900.5 -1106.27,-902 -1079.27,-902 -1077.77,-900.5 -1077.77,-861.5 -1076.27,-860 -1049.27,-860 -1047.77,-861.5 -1047.77,-900.5 -1046.27,-902 -1019.27,-902 -1017.77,-900.5 -1017.77,-865.86 -1011.91,-860 -963.52,-860 -945,-860 -908,-823 -447.96,-823 -423.23,-847.73 U1.51@-423.23,-933.07
  Bottom Layer w10: *7.4@-1637.8,-858.27 -1536,-858.27 -1501,-858.27 -1495.14,-864.13 -1495.14,-886.77 -1493.64,-888.27 -1466.64,-888.27 -1465.14,-886.77 -1465.14,-859.77 -1463.64,-858.27 -1436.64,-858.27 -1435.14,-859.77 -1435.14,-886.77 -1433.64,-888.27 -1406.64,-888.27 -1405.14,-886.77 -1405.14,-859.77 -1403.64,-858.27 -1376.64,-858.27 -1375.14,-859.77 -1375.14,-886.77 -1373.64,-888.27 -1346.64,-888.27 -1345.14,-886.77 -1345.14,-864.13 -1339.28,-858.27 -1331,-858.27 -1306.73,-858.27 v1(-1305,-860)
B16_L21_N: *7.5
B16_L21_P: *7.7
B16_L22_N: *7.17 U1.30 | length 1728.2
  Top Layer w10: v1(-1750,-640) -1705,-640 -1689.5,-655.5 -1685.96,-659.04 -1677.48,-659.04 -1642.27,-623.82 -1633.78,-623.82 -1621.05,-636.55 -1621.05,-645.04 -1656.45,-680.44 -1656.45,-688.92 -1643.72,-701.65 -1635.24,-701.65 -1599.84,-666.25 -1591.36,-666.25 -1578.63,-678.98 -1578.63,-687.46 -1613.84,-722.68 -1613.84,-731.16 -1516.26,-828.74 -1507.77,-828.74 -1472.56,-793.53 -1464.08,-793.53 -1451.35,-806.26 -1451.35,-814.74 -1486.75,-850.14 -1486.75,-858.63 -1474.02,-871.35 -1465.53,-871.35 -1430.14,-835.96 -1421.65,-835.96 -1408.92,-848.68 -1408.92,-857.17 -1444.32,-892.57 -1444.32,-901.05 -1431.59,-913.78 -1423.11,-913.78 -1387.71,-878.38 -1379.22,-878.38 -1366.5,-891.11 -1366.5,-899.6 -1401.71,-934.81 -1401.71,-943.29 -1375,-970 -1355,-990 -860.51,-990 -836.81,-966.3 -836.81,-933.27 U1.30@-836.61,-933.07
  Bottom Layer w10: *7.17@-1826.77,-637.8 -1825.67,-638.9 -1751.1,-638.9 v1(-1750,-640)
B16_L22_P: *7.15 U1.31 | length 1729.4
  Top Layer w8: v1(-1710,-670) -1708.44,-671.56 -1696.44,-671.56 -1671.37,-696.63 -1648.74,-719.26 -1648.74,-727.18 -1661.02,-739.46 -1661.02,-747.38 -1649.14,-759.26 -1641.22,-759.26 -1628.75,-746.79 -1620.83,-746.79 -1608.95,-758.67 -1608.95,-766.59 -1621.42,-779.06 -1621.42,-786.98 -1609.54,-798.86 -1601.62,-798.86 -1589.16,-786.39 -1581.24,-786.39 -1569.36,-798.27 -1569.36,-806.19 -1581.82,-818.66 -1581.82,-826.58 -1569.94,-838.46 -1562.02,-838.46 -1549.74,-826.18 -1541.82,-826.18 -1534.55,-833.45 -1360,-1008 -1339,-1008 -1307,-1008 -1301.4,-1013.6 -1301.4,-1032.4 -1295.8,-1038 -1279,-1038 -1273.4,-1032.4 -1273.4,-1011.6 -1267.8,-1006 -1251,-1006 -1245.4,-1011.6 -1245.4,-1032.4 -1239.8,-1038 -1223,-1038 -1217.4,-1032.4 -1217.4,-1011.6 -1211.8,-1006 -1195,-1006 -1189.4,-1011.6 -1189.4,-1032.4 -1183.8,-1038 -1167,-1038 -1161.4,-1032.4 -1161.4,-1011.6 -1155.8,-1006 -1139,-1006 -1133.4,-1011.6 -1133.4,-1032.4 -1127.8,-1038 -1111,-1038 -1105.4,-1032.4 -1105.4,-1011.6 -1099.8,-1006 -1083,-1006 -1077.4,-1011.6 -1077.4,-1032.4 -1071.8,-1038 -1055,-1038 -1049.4,-1032.4 -1049.4,-1011.6 -1043.8,-1006 -1027,-1006 -1021.4,-1011.6 -1021.4,-1032.4 -1015.8,-1038 -999,-1038 -993.4,-1032.4 -993.4,-1011.6 -987.8,-1006 -971,-1006 -965.4,-1011.6 -965.4,-1032.4 -959.8,-1038 -943,-1038 -937.4,-1032.4 -937.4,-1011.6 -931.8,-1006 -915,-1006 -909.4,-1011.6 -909.4,-1027.92 -903.8,-1033.52 -887,-1033.52 -881.4,-1027.92 -881.4,-1013.6 -875.8,-1008 -866.41,-1008 -855.88,-1008 -817.51,-969.63 -817.51,-933.65 U1.31@-816.93,-933.07
  Bottom Layer w8: *7.15@-1826.77,-669.29 *7.15@-1826.42,-669.65 ; v1@-1710.35,-669.65 v1(-1710,-670)
  Bottom Layer w10: *7.15@-1826.42,-669.65 v1@-1710.35,-669.65
B16_L23_N: *7.13 U1.32 | length 1733.7
  Top Layer w10: v1(-1750.39,-700.39) -1652.67,-798.12 -1649.13,-801.65 -1640.65,-801.65 -1639.25,-800.26 -1630.77,-800.26 -1618.04,-812.99 -1618.04,-821.47 -1642.25,-845.68 -1642.25,-854.16 -1629.52,-866.89 -1621.03,-866.89 -1596.83,-842.69 -1588.34,-842.69 -1575.61,-855.41 -1575.61,-863.9 -1599.82,-888.11 -1599.82,-896.59 -1587.09,-909.32 -1578.61,-909.32 -1543.07,-873.78 -1534.58,-873.78 -1521.86,-886.51 -1521.86,-894.99 -1557.4,-930.53 -1557.4,-939.02 -1544.67,-951.74 -1536.18,-951.74 -1500.64,-916.2 -1492.16,-916.2 -1479.43,-928.93 -1479.43,-937.42 -1514.97,-972.96 -1514.97,-981.44 -1502.24,-994.17 -1493.76,-994.17 -1458.22,-958.63 -1449.73,-958.63 -1437,-971.36 -1437,-979.84 -1472.54,-1015.38 -1472.54,-1023.87 -1459.81,-1036.6 -1451.33,-1036.6 -1439.11,-1024.38 -1430.62,-1024.38 -1410,-1045 -1394,-1061 -886.26,-1061 -797.44,-972.18 -797.44,-933.27 U1.32@-797.24,-933.07
  Bottom Layer w10: *7.13@-1826.38,-700.39 v1(-1750.39,-700.39)
B16_L23_P: *7.11
B16_L24_N: *7.23
B16_L24_P: *7.21
B34_L23_N: *9.7
B34_L23_P: *9.5
B34_L24_N: *9.8
B34_L24_P: *9.6
B34_L25: *9.4
ETH_3V3: C44.2 C45.2 C46.2 L5.2 T1.3 T2.3 T3.3 T4.3 T5.3 T6.3 T7.3 T8.3 T9.3 T10.3 T11.3 T12.3 T13.3 T14.3 T15.3 U4.6 U4.41 | length 919.1
  Top Layer w8: v1(230,-130) 250,-150 T15.3@282,-150 ; v1(235,-650) T13.3@282,-650 ; v1(235,-373) 238,-373 257,-392 T12.3@282,-392 ; v1(235,-195) 237.3,-197.3 251.3,-197.3 279,-225 T14.3@282,-225 ; v1(240,-450) 242.3,-452.3 253.3,-452.3 279,-478 T7.3@282,-478 ; v1(240,-75) T11.3@282,-75 ; v1(250,-275) 250,-277 279,-306 T9.3@282,-306 ; v1(255,-530) 273,-548 273,-558 279,-564 T8.3@282,-564 ; v1(840,-590) 840,-586.75 846.5,-580.25 846.5,-571 852.5,-565 C46.2@855,-565 900.53,-565 902.46,-566.93 U4.41@948.52,-566.93 ; T10.3@975,-81 975,-84 997.7,-106.7 997.7,-122.7 v1(1000,-125) ; v1(1053,-765) 1055.06,-762.94 1055.06,-705.08 U4.6@1055.12,-705.02 ; T6.3@1053.33,-81 1055.19,-82.85 1055.19,-111.59 v1(1057.04,-113.45) ; v1(1130,-130) 1130.83,-129.17 1130.83,-81.83 T4.3@1131.67,-81 ; v1(1210,-125) T3.3@1210,-81 ; T2.3@1288.33,-81 1289.17,-81.83 1289.17,-124.17 v1(1290,-125) ; T1.3@1366.67,-81 1368.33,-82.67 1368.33,-123.33 v1(1370,-125) ; v1(1445,-130) T5.3@1445,-81
  other v1: 755,-206 683,-203 714,-203 612,-200 645,-200 577,-197 673,-181 710,-179
ETH_LED0: T7.1 U4.34 | length 724.1
  Top Layer w8: T7.1@330,-478 333,-478 374.01,-436.99 991.09,-436.99 1007.81,-453.71 1007.81,-476.02 U4.34@1007.87,-476.08
ETH_LED1: R23.2 T8.1 U4.35 | length 2740.6
  Top Layer w8: v1(331,-606) 331,-565 T8.1@330,-564 333,-564 445.01,-451.99 984.88,-451.99 992.06,-459.17 992.06,-476.02 U4.35@992.12,-476.08 ; v1(1725,-1173) 1728.25,-1173 1735.25,-1180 1736,-1180 1845,-1289 R23.2@1845,-1350
  Bottom Layer w8: v1(331,-606) 331,-714 377,-760 597,-760 649,-812 649,-895 793,-1039 1591,-1039 v1(1725,-1173)
ETH_LED2: R22.2 T9.1 U4.32 | length 3328.7
  Top Layer w8: v1(311,-339) 313.3,-336.7 321.3,-336.7 330,-328 T9.1@330,-306 333,-306 354,-285 476.36,-285 490.36,-299 895.36,-299 1003.35,-406.99 1003.52,-406.99 1039.37,-442.85 U4.32@1039.37,-476.08 ; v1(1556,-1208) 1556,-1213 1695,-1352 R22.2@1695,-1355
  Bottom Layer w8: v1(311,-339) 153,-339 121,-371 121,-751 157,-787 589.7,-787 621,-818.3 621,-911 777,-1067 1415,-1067 v1(1556,-1208)
ETH_TD0_N: P1.3 U4.2 | length 703
  Top Layer w8: U4.2@992.12,-705.02 992.12,-723.12 968,-747.24 968,-954 968,-991.8 972.69,-996.48 978.26,-996.48 991.08,-1009.3 991.08,-1033.14 978.26,-1045.96 933.76,-1045.96 930.16,-1049.56 930.16,-1060.36 933.76,-1063.96 954.09,-1063.96 968,-1077.87 968,-1093 968,-1102.42 1008.47,-1142.89 1008.47,-1216.47 1017.19,-1225.19 1023.81,-1225.19 1055.9,-1193.1 P1.3@1055.9,-1184.31
ETH_TD0_P: P1.2 U4.1 | length 701.6
  Top Layer w8: U4.1@976.38,-705.02 976.38,-716.6 952.26,-740.72 952.26,-954 952.26,-998.32 966.17,-1012.22 971.74,-1012.22 975.34,-1015.82 975.34,-1026.62 971.74,-1030.22 927.24,-1030.22 914.42,-1043.04 914.42,-1066.88 927.24,-1079.7 947.57,-1079.7 952.26,-1084.39 952.26,-1093 952.26,-1108.94 956.43,-1113.1 956.43,-1113.47 992.47,-1149.52 992.47,-1274.78 P1.2@1002,-1284.31
ETH_TD1_N: P1.7 U4.5 | length 637.9
  Top Layer w8: U4.5@1039.37,-705.02 1039.37,-740.57 1032,-747.94 1032,-832.67 1046.75,-847.42 1046.75,-961.52 1032.75,-975.52 1032.75,-1048.66 1104.79,-1120.7 1120.7,-1120.7 v1(1123,-1123)
  Bottom Layer w8: v1(1123,-1123) 1194.59,-1123 P1.7@1255.9,-1184.31
ETH_TD1_P: P1.4 U4.4 | length 640.2
  Top Layer w8: U4.4@1023.62,-705.02 1023.62,-734.05 1016.25,-741.42 1016.25,-839.19 1031,-853.94 1031,-955 1017,-969 1017,-1055.18 v1(1103.91,-1142.09)
  Bottom Layer w8: P1.4@1102,-1284.31 1115,-1271.32 1115,-1187.14 cw(c1155.9,-1184.31) 1115,-1181.49 1115,-1153.18 1107.97,-1146.15 v1(1103.91,-1142.09)
ETH_TD2_N: P1.6 U4.8 | length 705.7
  Top Layer w8: U4.8@1086.61,-705.02 1086.86,-705.27 1086.86,-738.18 1087.36,-738.68 1087.36,-739.39 1089.5,-741.52 1089.5,-779.81 1090,-780.31 1090,-978 1090,-981.37 1120.3,-1011.68 1126.93,-1011.68 1144.44,-994.17 1164.2,-994.17 1183.33,-1013.3 1183.33,-1033.06 1165.82,-1050.57 1165.82,-1057.19 1199.54,-1090.91 1209.31,-1100.69 1209.31,-1101.39 1213.5,-1105.58 1213.5,-1228.5 1197,-1245 1197,-1267.49 1202,-1272.49 P1.6@1202,-1284.31
ETH_TD2_P: P1.5 U4.7 | length 703
  Top Layer w8: U4.7@1070.86,-705.02 1070.86,-744.81 1074,-747.94 1074,-988 1077,-991 1113.68,-1027.68 1133.56,-1027.68 1151.07,-1010.17 1157.57,-1010.17 1167.33,-1019.92 1167.33,-1026.43 1149.82,-1043.94 1149.82,-1063.82 1188.23,-1102.23 1198,-1112 1198,-1217.39 1193.31,-1222.08 1170.91,-1222.08 1165.85,-1217.03 1165.85,-1194.26 P1.5@1155.9,-1184.31
ETH_TD3_N: P1.9 U4.11 | length 705.2
  Top Layer w8: U4.11@1133.86,-705.02 1133.86,-721.19 1135.25,-722.57 1135.25,-731.25 1173,-769 1257.63,-769 1312.9,-824.28 1312.9,-1219.6 1317.84,-1224.53 1324.47,-1224.53 1355.9,-1193.1 P1.9@1355.9,-1184.31
ETH_TD3_P: P1.8 U4.10 | length 705
  Top Layer w8: U4.10@1118.11,-705.02 1118.11,-727.71 1119.5,-729.1 1119.5,-738.13 1166.37,-785 1251,-785 1296.9,-830.9 1296.9,-1226.22 1302,-1231.32 P1.8@1302,-1284.31
fpga5V: *6.23 *6.24 *6.25 *6.26 *6.27 *6.28 *6.29 *6.30 C29.2 EC2.1 L4.2 R7.2 | length 336.1
  Top Layer w15: R7.2@-245,710 -245,713.25 -181.25,777 C29.2@-181.25,833.75 -11.25,833.75 L4.2@0,845
  other v2: -120,475 -90,475 -60,475 -15,475 10,480 -25,495 -120,515 -80,515 -50,515 0,515
FPGA_TCK: *10.38 R17.1 | length 628
  Top Layer w10: R17.1@-1285,1127.01 -1285,1035 v1(-1230,980)
  Bottom Layer w10: *10.38@-1637.8,858.27 -1351.73,858.27 v1(-1230,980)
FPGA_TDI: *10.37 R15.1 R20.1 | length 1166
  Top Layer w10: -1535,925 -1045.26,925 -848.25,1122.01 R20.1@-845,1122.01 R15.1@-760,1122.01
  Bottom Layer w10: *10.37@-1826.77,858.27 -1756.73,858.27 -1690,925 v1(-1545,925)
FPGA_TDO: *10.40 R18.1 | length 582.2
  Top Layer w10: v1(-1215,1040) -1215,1042.71 -1209,1048.71 -1209,1116.26 -1198.25,1127.01 R18.1@-1195,1127.01
  Bottom Layer w10: *10.40@-1637.8,889.77 -1365.23,889.77 v1(-1215,1040)
FPGA_TMS: *10.39 R16.1 R19.1 | length 990.4
  Top Layer w10: v1(-1595,950) -1203.25,950 -1028.25,1125 -1025.26,1122.01 R16.1@-935,1122.01
  Bottom Layer w10: *10.39@-1826.77,889.77 -1754.13,889.77 -1693.9,950 v1(-1595,950)